# Altium PCB FMC_ADC_130M_16B_4CH.PcbDoc (part 6 of 8) (continued)
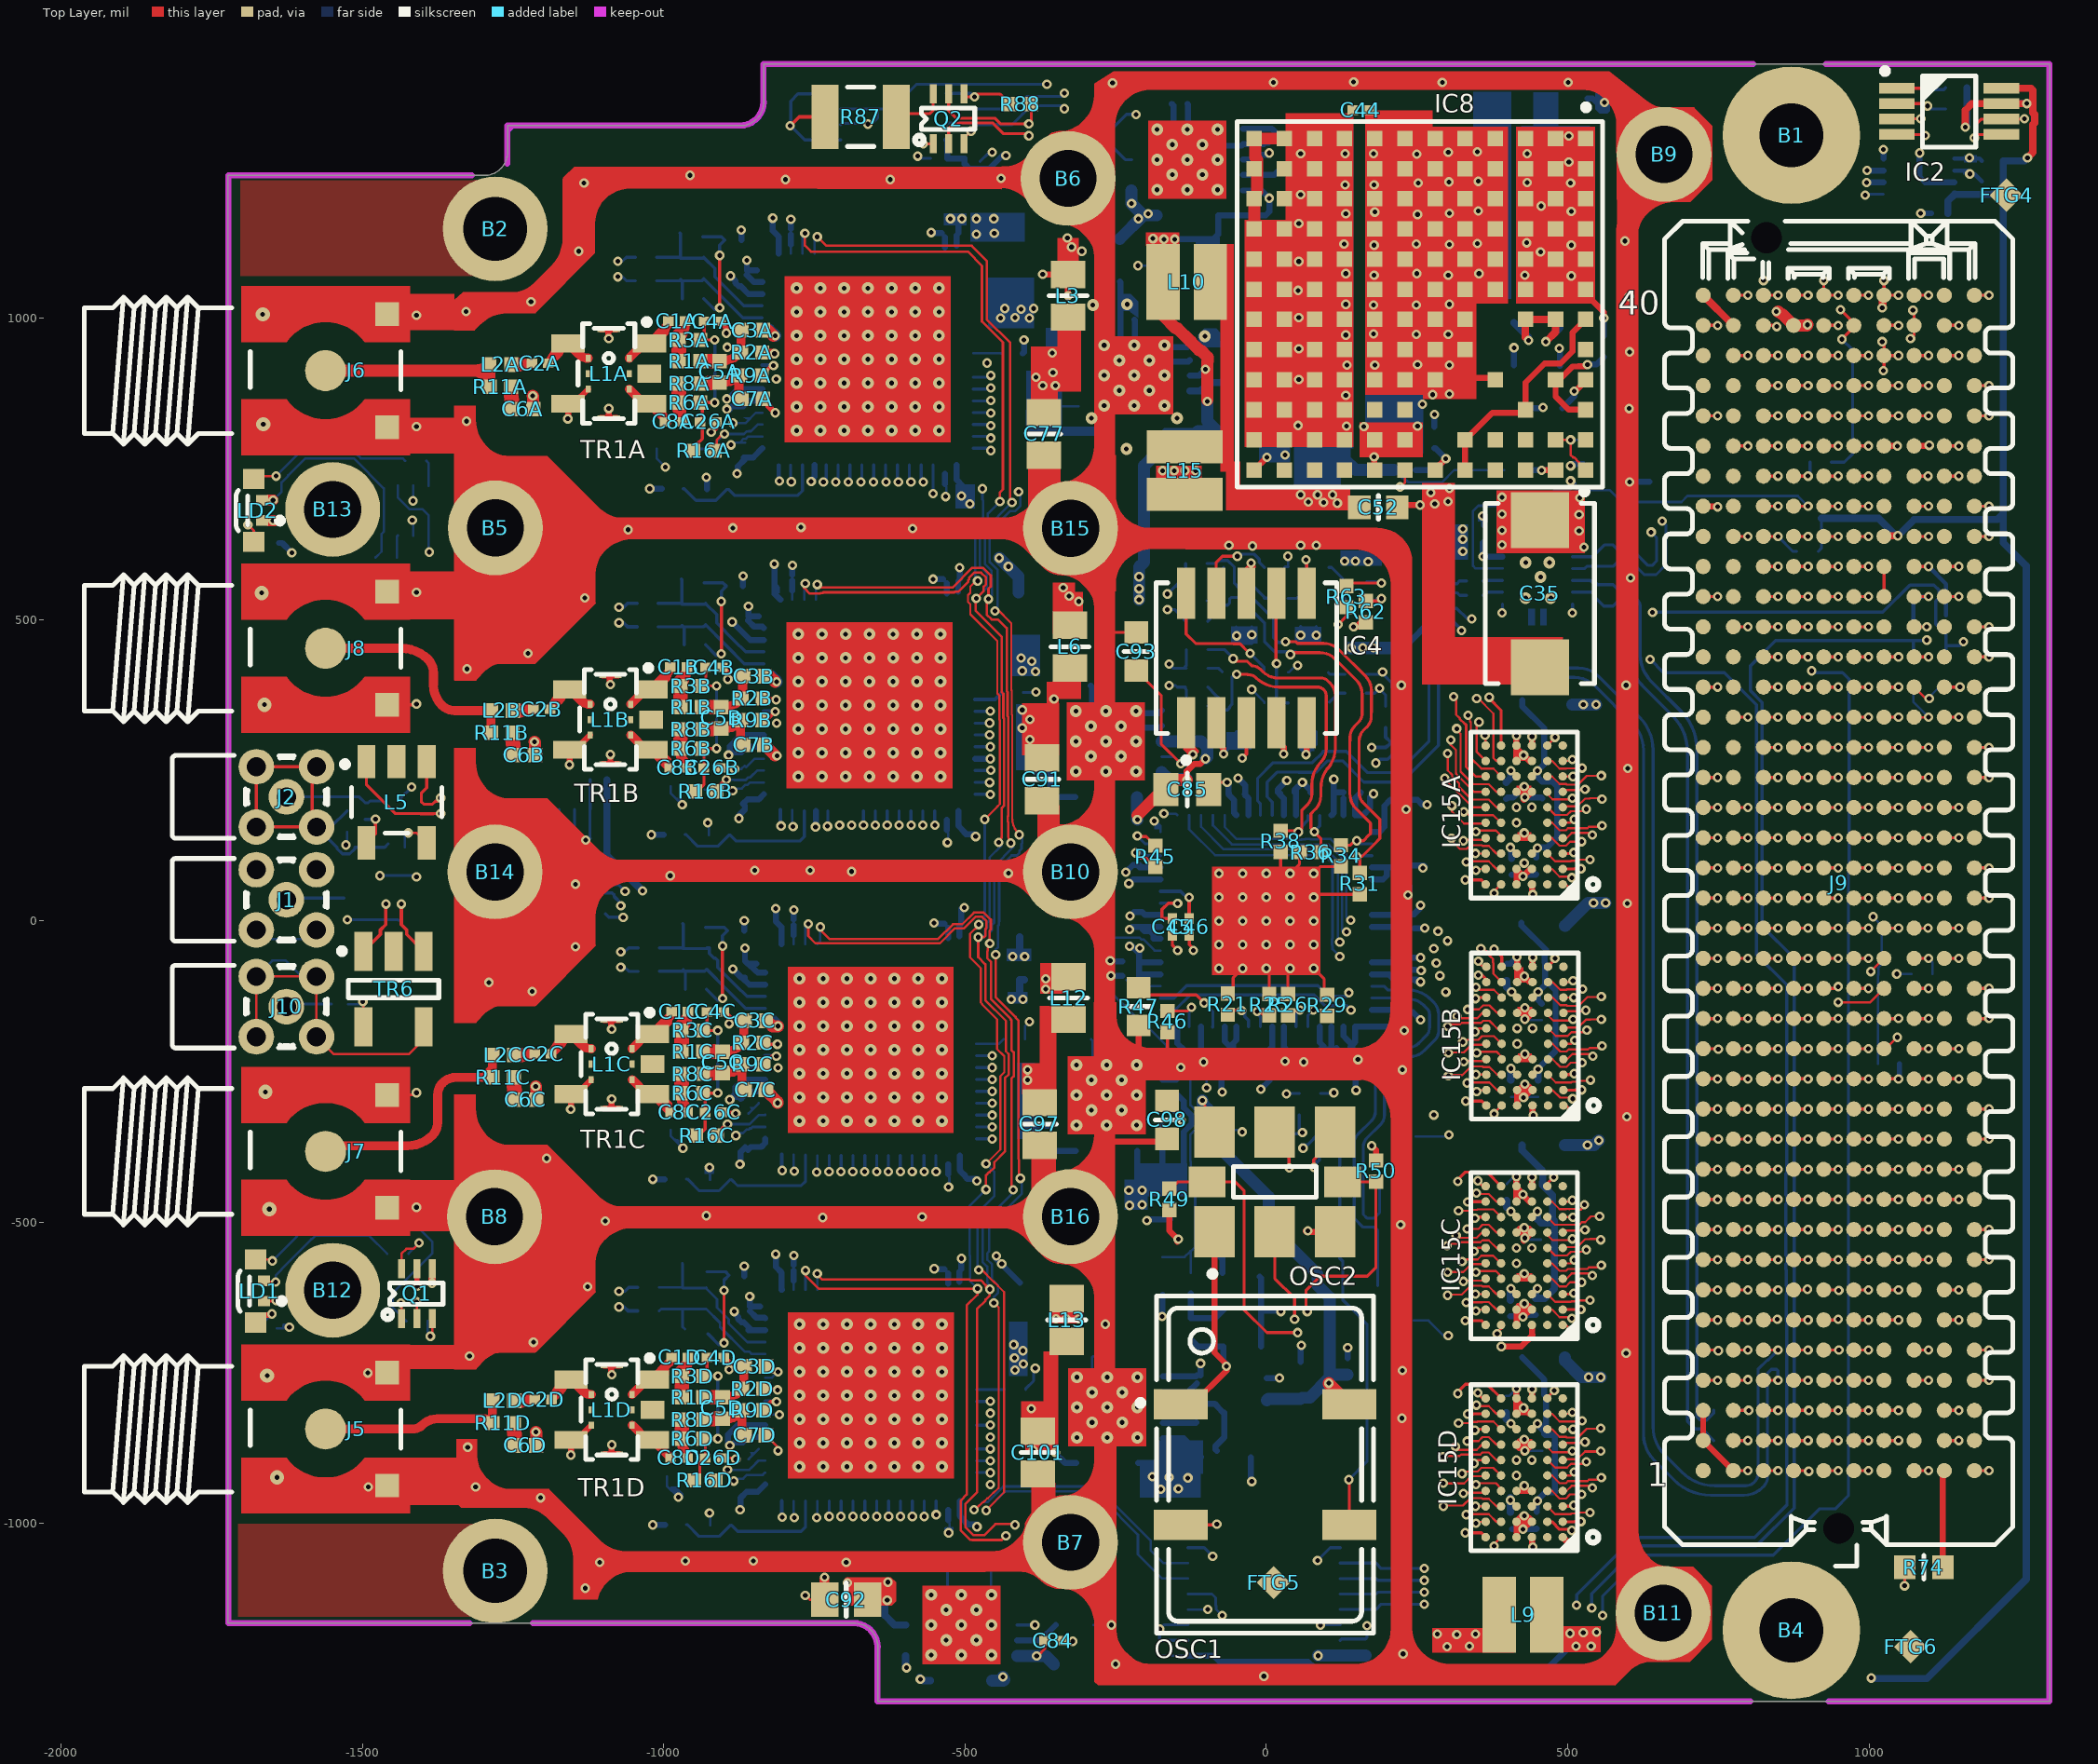
[diagram p0: Top Layer view]
## Nets (pads, with @x,y where several pads share a name; then routed paths per layer and width w, separated by ;. In a path a pad name is that pad's centre, name@x,y a point inside that pad or via, vN(x,y) a via of type N, cw(c..) or ccw(c..) an arc to the next point about the centre after c; other vN are vias at no path point) (continued)
  Bottom Layer w12: -409.08,-54.92 L4C.2@-409.08,-26.69
  other v1: -421,-59 -401,-59
NetC19D_2: C19D.2 C20D.2 IC1D.32 IC1D.49 L4D.2 | length 158.4
  Bottom Layer w10: IC1D.32@-509,-599 C20D.2@-509,-582.05 ; IC1D.49@-508.65,-962.46 -508.65,-986.67 -507.92,-987.4 -507.92,-988.05 C19D.2@-498.79,-997.19 ; C20D.2@-506.22,-578 -506.22,-560.22 v1(-506,-560) ; C19D.2@-498.22,-999 -496.22,-1001 -480,-1001 v1(-480,-1005) ; v1(-448,-556) -449,-557 -449,-560.09 v1@-439.54,-569.54 ; v1(-439,-569) -439,-570 -439.04,-570.04 L4D.2@-408.97,-600.12
NetC25A_2: C25A.2 R17A.1 R18A.1 | length 189.6
  Top Layer w5.3: v1(-907,1017) v1(-907,1104)
  Bottom Layer w5.3: R18A.1@-935.28,1135 -904.21,1135 C25A.2@-898.65,1129.45 -907,1121.1 v1(-907,1104) ; R17A.1@-933.28,1032 -915.57,1014.28 -909.72,1014.28 v1(-907,1017)
NetC25B_2: C25B.2 R17B.1 R18B.1 | length 189.6
  Top Layer w5.3: v1(-904.28,443) v1(-904.28,530)
  Bottom Layer w5.3: R18B.1@-932.57,561 -901.49,561 C25B.2@-895.94,555.45 -904.28,547.1 v1(-904.28,530) ; R17B.1@-930.57,458 -912.85,440.28 -907,440.28 v1(-904.28,443)
NetC25C_2: C25C.2 R17C.1 R18C.1 | length 189.6
  Top Layer w5.3: v1(-902.2,-128.57) v1(-902.2,-41.57)
  Bottom Layer w5.3: R18C.1@-930.49,-10.57 -899.41,-10.57 C25C.2@-893.86,-16.13 -902.2,-24.47 v1(-902.2,-41.57) ; R17C.1@-928.49,-113.57 -910.77,-131.29 -904.92,-131.29 v1(-902.2,-128.57)
NetC25D_2: C25D.2 R17D.1 R18D.1 | length 189.6
  Top Layer w5.3: v1(-899.81,-700) v1(-899.81,-613)
  Bottom Layer w5.3: R18D.1@-928.09,-582 -897.02,-582 -891.47,-587.55 -899.81,-595.9 v1(-899.81,-613) ; R17D.1@-926.09,-685 -908.38,-702.72 -902.53,-702.72 v1(-899.81,-700)
NetC29_2: C29.2 C99.2 IC8.B7 IC8.C7 | length 210
  Top Layer w12: v1(435,963) 430,968 IC8.C7@430,998 IC8.B7@480,998 480,977 v1(464,961)
  Bottom Layer w12: C99.2@411,992.43 435,968.43 v1(435,963) ; v1(464,961) 487,984 C29.2@487,991.43
NetC42_1: C42.1 L5.5 | length 63
  Top Layer w5: L5.5@-1493,129.48 -1478,144.48 v1(-1478,169)
  Bottom Layer w5: C42.1@-1495,168.41 -1480.59,168.41 -1480,169 v1(-1478,169)
NetC43_1: C43.1 L5.4 | length 63.8
  Top Layer w4: v1(-1423.71,146.02) -1409.53,146.02 L5.4@-1393,129.48
  Bottom Layer w4: C43.1@-1429.21,122.01 -1429.21,140.51 v1(-1423.71,146.02)
NetC45_1: C45.1 IC3.10 | length 90.1
  Top Layer w5.71: C45.1@-155.81,3.78 -170.78,3.78 -173,6 -173,19 -162.47,29.53 -147.53,29.53 v1(-147,29)
  Bottom Layer w5.71: IC3.10@-175.2,29.53 -147.53,29.53 v1(-147,29)
NetC46_1: C46.1 IC3.11 | length 88.4
  Top Layer w5.71: v1(-128,39) -128,3.97 C46.1@-127.81,3.78
  Bottom Layer w5.71: IC3.11@-175.2,49.21 -142.21,49.21 -130,37 v1(-128,39)
NetC48_1: C48.1 TR6.6 | length 67.9
  Top Layer w4: v1(-1499,-134) -1498,-135 TR6.6@-1498,-175.6
  Bottom Layer w4: C48.1@-1523.22,-138 -1503,-138 v1(-1499,-134)
NetC55_2: C55.2 IC3.6 R53.1 R55.2 | length 787.1
  Bottom Layer w4: IC3.6@-175.2,-49.21 -185.12,-49.21 -203.21,-31.13 -206.87,-31.13 -210.13,-27.87 -255.85,-27.87 -275.45,-47.47 -275.45,-100.52 -210.97,-165 -207.87,-165 -166,-206.87 -166,-209.17 -150.64,-224.53 -150.64,-225.36 -149.81,-226.19 -147.12,-228.87 -137.13,-228.87 -136.87,-229.13 -136.25,-229.13 -128.13,-237.25 -128.13,-237.87 -126,-240 -126,-305.58 -113.13,-318.45 -113.13,-341.55 -126,-354.42 -126,-398.51 -125,-399.51 -125,-420 -118,-427 -118,-541.28 R55.2@-122.72,-546 ; C55.2@-172,-557.5 -135.5,-557.5 R55.2@-126,-548 ; R53.1@-125,-583.57 R55.2@-125,-548
NetC56_2: C56.2 R53.2 R54.1 | length 101.6
  Bottom Layer w10: R53.2@-125,-618 R53.2@-125,-619 R54.1@-125,-658.57 -84.57,-658.57 C56.2@-70,-644
NetC58_2: C58.2 R55.1 | length 43.9
  Bottom Layer w10: R55.1@-87.28,-546 -73,-560.28 C58.2@-73,-584
NetC73_1: C73.1 IC8.A9 | length 64.1
  Top Layer w10: v1(511,879) 513,879 530,896 IC8.A9@530,898
  Bottom Layer w10: C73.1@491.5,851 511,870.5 v1(511,879)
NetC77_2: C77.2 IC6.1 IC6.3 IC6.20 L3.1 | length 97.4
  Bottom Layer w4: -353,854 -352.82,853.82 IC6.1@-311.52,853.82 ; -346,905 IC6.3@-311.52,905 ; -291.35,812 -290.87,812.48 IC6.20@-270.18,812.48
  other v1: -371,888 -350,888 -382,902 -354,910 -355,942
NetC78_2: C78.2 IC7.1 IC7.3 IC7.20 L7.1 | length 316.8
  Bottom Layer w5: IC7.3@-223.52,1263 -234,1263 -256,1285 -256,1314 -250.69,1319.31 -250.69,1319.73 -242.85,1327.57 -242.43,1327.57 -232,1338 v1(-216,1338) ; v1(148,597) v1@165,597 ; v1(169,596) 168,597 v1@165,597 ; L7.1@206.57,613 181,613 v1@165,597
  Bottom Layer w20: C78.2@-243,1131.43 -203.95,1170.48 ; IC7.1@-223.52,1211.82 v1(-223.52,1190.05) -203.95,1170.48 ; IC7.20@-182.18,1170.48 -203.95,1170.48
  other v1: 130,597 -212,1165 -196,1173
NetC79_2: C79.2 IC6.14 | length 69.6
  Bottom Layer w12: IC6.14@-126.48,879.41 -108.87,879.41 -106.28,882 -102,882 -91,893 -74.5,893 C79.2@-66,901.5
NetC80_2: C80.2 IC7.14 | length 58.6
  Bottom Layer w10: IC7.14@-38.48,1237.41 12.91,1237.41 C80.2@18,1242.5
NetC84_2: C84.2 C86.2 IC10.13 IC10.15 IC10.16 L9.2 | length 154.5
  Top Layer w5: v1(-381,-1219.18) -378.96,-1219.18 -367.56,-1207.78 C84.2@-367.56,-1194
  Bottom Layer w5: IC10.13@-413.48,-1168 v1(-384,-1168)
  Bottom Layer w20: IC10.16@-454.82,-1260.52 -436.52,-1260.52 -435,-1259 -437,-1257 v1(-437,-1254) ; IC10.15@-413.48,-1219.18 v1(-381,-1219.18) -366.25,-1219.18 C86.2@-352.43,-1233
  other v1: 300,-1204 337,-1203 316,-1184 284,-1183 347,-1183
NetC91_2: C91.2 IC9.1 IC9.3 IC9.20 L6.1 | length 242.6
  Bottom Layer w10: -392,351 v1(-392,301) ; IC9.3@-358.52,298 -389,298 v1(-392,301) ; IC9.20@-317.18,205.48 -344.48,205.48 -358.52,219.52 IC9.1@-358.52,246.82 -384.82,246.82 -392,254 v1(-392,301)
  other v1: -405,320 -392,334 -405,350 -352.28,368
NetC93_2: C93.2 IC9.14 | length 221.4
  Top Layer w4.73: C93.2@-216,415.5 -174,373.5 -174,293 v1(-142,261)
  Bottom Layer w4.73: IC9.14@-173.48,272.41 -153.41,272.41 v1(-142,261)
NetC94_2: C94.2 IC10.14 | length 74.6
  Bottom Layer w10: IC10.14@-413.48,-1193.59 -375.09,-1193.59 C94.2@-349.5,-1168
NetC96_1: C96.1 IC8.F12 R80.1 | length 110.8
  Top Layer w10: IC8.F12@280,748 280,749 v1(298,767)
  Bottom Layer w10: C96.1@247.72,748 279,748 v1(298,767) 280.72,784.28 R80.1@279,784.28
NetC97_2: C97.2 IC11.1 IC11.3 IC11.20 L12.1 | length 279.2
  Top Layer w10: v1@-396,-251 -396,-268 -376,-288 C97.2@-376,-301.57
  Bottom Layer w10: -396,-283 -391,-288 ; IC11.1@-357.52,-340.18 -383.82,-340.18 -384,-340 ; IC11.3@-357.52,-289 -390,-289 -391,-288 ; IC11.20@-316.18,-381.52 -364.48,-381.52 -384,-362 -384,-340 ; -391,-288 -391,-333 -384,-340
  other v1: -396,-264 -396,-247
NetC98_2: C98.2 IC11.14 | length 80
  Top Layer w4: C98.2@-165,-298.5 -143.5,-320 -143,-320 -141,-322 -141,-329 v1@-140,-330
  Bottom Layer w4: IC11.14@-172.48,-314.59 -156.41,-314.59 v1(-141,-330)
NetC101_2: C101.2 IC12.1 IC12.3 IC12.20 L13.1 | length 116.8
  Bottom Layer w10: v1(-390,-809) -388,-807 IC12.3@-356.52,-807 ; v1(-387,-878) -387,-876 -369.18,-858.18 IC12.1@-356.52,-858.18 ; v1(-350,-882) -350,-883 -333.48,-899.52 IC12.20@-315.18,-899.52
NetC102_2: C102.2 IC12.14 | length 55.7
  Bottom Layer w10: IC12.14@-171.48,-832.59 -116.59,-832.59 C102.2@-116,-832
NetIC1A_40: IC1A.40 R10A.2 | length 46.5
  Bottom Layer w4: IC1A.40@-486,941.57 -439.72,941.57 R10A.2@-439.59,941.45
NetIC1A_62: IC1A.62 R13A.2 R14A.1 | length 526.7
  Bottom Layer w4: R14A.1@-892.28,716 R14A.1@-891.28,715
  Bottom Layer w5: R13A.2@-965.66,717 R13A.2@-967.28,717 R13A.2@-965.66,717 ; R13A.2@-965.66,717 -946.19,697.53 ; R13A.2@-965.66,717 -946.19,697.53 ; -946.19,697.53 -913.15,697.53 ; -946.19,697.53 -913.15,697.53 ; -913.15,697.53 R14A.1@-894.67,716 ; -913.15,697.53 R14A.1@-894.67,716 ; R14A.1@-894.67,716 R14A.1@-892.28,716 ; R14A.1@-892.28,716 R14A.1@-882.28,706 ; R14A.1@-892.28,716 R14A.1@-882.28,706 ; R14A.1@-882.28,706 -777,706 ; R14A.1@-882.28,706 -777,706 ; -777,706 -769.46,713.54 ; -777,706 -769.46,713.54 ; -769.54,722.98 -769.46,722.91 ; -769.54,722.98 -769.54,735.02 ; -769.54,722.98 -769.54,735.02 ; -769.54,722.98 -769.46,722.91 ; -769.54,735.02 -769.46,735.09 ; -769.54,735.02 -769.46,735.09 ; -769.46,713.54 -769.46,722.91 ; -769.46,713.54 -769.46,722.91 ; -769.46,735.09 IC1A.62@-769.46,756.54 -769.46,735.09
NetIC1B_40: IC1B.40 R10B.2 | length 49.3
  Bottom Layer w6.39: IC1B.40@-483.28,367.57 -450.14,367.57 R10B.2@-438.72,379
NetIC1B_62: IC1B.62 R13B.2 R14B.1 | length 262.9
  Bottom Layer w4: R14B.1@-889.57,142 R14B.1@-888.57,141
  Bottom Layer w5: R13B.2@-964.4,143.43 -962.78,143.43 -943.31,123.96 -910.26,123.96 R14B.1@-891.79,142.43 ; R14B.1@-889.4,142.43 -879.4,132.43 -774.12,132.43 -766.58,139.97 -766.58,149.34 -766.66,149.41 -766.66,161.45 -766.58,161.53 IC1B.62@-766.58,182.97
NetIC1C_40: IC1C.40 R10C.2 | length 48.8
  Bottom Layer w4: IC1C.40@-481.2,-204 -443.72,-204 R10C.2@-435.72,-196
NetIC1C_62: IC1C.62 R13C.2 R14C.1 | length 262.9
  Bottom Layer w4: R14C.1@-887.49,-429.57 R14C.1@-886.49,-430.57
  Bottom Layer w5: R13C.2@-962.32,-428.14 -960.7,-428.14 -941.23,-447.62 -908.19,-447.62 R14C.1@-889.71,-429.14 ; R14C.1@-887.32,-429.14 -877.32,-439.14 -772.04,-439.14 -764.5,-431.61 -764.5,-422.24 -764.58,-422.16 -764.58,-410.12 -764.5,-410.05 IC1C.62@-764.5,-388.61
NetIC1D_40: IC1D.40 R10D.2 | length 46.5
  Bottom Layer w5: IC1D.40@-481.09,-777.43 -434.81,-777.43 R10D.2@-434.69,-777.55
NetIC1D_62: IC1D.62 R13D.2 R14D.1 | length 296
  Bottom Layer w4: R14D.1@-887.38,-1003 R14D.1@-886.38,-1004 ; -764.56,-995.56 IC1D.62@-764.56,-962.46
  Bottom Layer w5: R13D.2@-962.21,-1001.57 -960.59,-1001.57 -941.12,-1021.04 -908.07,-1021.04 R14D.1@-889.6,-1002.57 ; R14D.1@-887.21,-1002.57 -877.21,-1012.57 -771.93,-1012.57 -764.39,-1005.03 -764.39,-995.66 -764.47,-995.59 -764.47,-983.55 -764.39,-983.47 IC1D.62@-764.39,-962.03
NetIC2_1: IC2.1 IC13.1 R4.1 R35.1 R39.1 | length 7724.5
  Top Layer w5.33: IC2.1@1046.39,1381.39 1093.61,1381.39 v1(1096,1379)
  L5 w5.33: v1(-1067,6) -1073,0 -1111.42,0 -1113.41,-1.99 -1157.99,-1.99 -1237.84,-81.84 -1354.84,-81.84 -1680.33,-407.33 -1680.33,-924.08 -1651.8,-952.62 -1231.62,-952.62 -1222,-943 -1195,-943 -1149,-989 -1149,-1113 -1139.19,-1122.81 -850.23,-1122.81 -824.55,-1097.14 -808.14,-1097.14 -782,-1071 -728,-1071 -714.54,-1084.46 -689.39,-1084.46 -660.39,-1113.46 -623.39,-1113.46 -589.06,-1147.8 -589.06,-1160.06 -513.11,-1236 -449.92,-1236 -446.06,-1232.14 -406.37,-1232.14 -385.77,-1252.73 -68.45,-1252.73 -46.85,-1231.14 26.85,-1231.14 48.45,-1252.73 378.4,-1252.73 485.62,-1145.51 488.49,-1145.51 494,-1140 510,-1140 v1(515,-1135)
  L3 w5.33: v1(637,434) 640.46,437.46 640.46,439.02 641,439.56 v1(641,512) ; v1(1096,1379) 1122,1379 1246,1255 1246,513 1196,463 v1(1157,463)
  Bottom Layer w5.33: IC13.1@-1096.61,11.39 -1091.23,6 v1(-1067,6) ; v1(515,-1135) 515,-1118 610,-1023 810,-1023 864,-969 864,-917 863.54,-916.54 863.54,-664.54 862.54,-663.54 862.54,-619.02 863.54,-618.02 863.54,-605.98 862.54,-604.98 862.54,-578.54 862,-578 862,-569.56 863.54,-568.02 863.54,-555.98 862,-554.44 862,-519.56 863.54,-518.02 863.54,-505.98 862,-504.44 862,-469.56 863.54,-468.02 863.54,-455.98 862,-454.44 862,-419.56 863.54,-418.02 863.54,-105.98 813.54,-55.98 813.54,358.46 760,412 659,412 v1(637,434) ; v1(641,512) 1023,512 1068,557 1108,557 1116,549 1116,536 1112.54,532.54 1112.54,532.39 1110.53,530.38 1110.53,492.56 1128,475.09 R39.1@1128,471.28 1128,457 ; v1(1096,1379) 1124.28,1379 R4.1@1127.28,1382 ; R35.1@1127,433.72 1128,434.72 1128,457 ; v1(1157,463) 1151,457 1128,457
NetIC2_2: IC2.2 IC13.2 R32.1 R37.1 R42.1 | length 7269.4
  Top Layer w5.33: IC2.2@1046.39,1355.8 1093.2,1355.8 v1(1097,1352)
  L5 w5.33: v1(-1071,25) -1086,10 -1113.19,10 -1116.86,6.34 -1165.66,6.34 -1245.51,-73.51 -1358.29,-73.51 -1688.66,-403.88 -1688.66,-927.53 -1655.25,-960.94 -1217.54,-960.94 -1217.54,-962.61 -1162.16,-1017.98 -1162.16,-1114.84 -1145.86,-1131.14 -846.78,-1131.14 -821.1,-1105.46 -747.46,-1105.46 -742.06,-1110.86 -701.28,-1110.86 -681.46,-1130.68 -664.68,-1130.68 -664.51,-1130.85 -644.29,-1130.85 -610.44,-1164.7 -610.44,-1188.01 -547.46,-1251 -453.14,-1251 -442.61,-1240.46 -409.82,-1240.46 -389.22,-1261.06 -65,-1261.06 -43.4,-1239.46 23.4,-1239.46 45,-1261.06 381.85,-1261.06 489.07,-1153.84 526.16,-1153.84 v1(540,-1140)
  L3 w5.33: v1(1096,466) 1136,466 1226,556 1226,1256 1200,1282 1159,1282 1097,1344 v1(1097,1352)
  Bottom Layer w5.33: IC13.2@-1122.2,11.39 -1122.2,40.8 -1116.42,46.58 -1085.41,46.58 -1082.09,43.26 -1082.09,40.67 -1071,29.58 v1(-1071,25) ; v1(540,-1140) 540,-1116 619,-1037 813,-1037 876,-974 876,-62 822.86,-8.86 822.86,362.33 803.1,382.1 803.1,423.1 845.28,465.28 R42.1@1073,465.28 ; R37.1@1074,429.72 1074,464.28 R42.1@1073,465.28 ; v1(1096,466) 1095.28,465.28 R42.1@1073,465.28 ; v1(1097,1352) 1102,1347 R32.1@1127.28,1347
NetIC3_17: IC3.17 R19.2 | length 1610.7
  L5 w4: v1(285,-17) 322,20 534.79,20 537.67,17.13 548.33,17.13 550.21,19 555.79,19 557.67,17.13 568.33,17.13 570.21,19 590.79,19 593.67,16.13 604.33,16.13 607.21,19 612.9,19 616.9,15 628,15 675,-32 950,-32 989,7 v1(1007,7)
  L3 w4: v1(-170,178) -170,159 -114,103 88.9,103 217.9,-26 276,-26 v1(285,-17)
  Bottom Layer w4: v1(-170,178) -150,178 IC3.17@-148,176 ; IC3.17@-148,175.2 IC3.17@-147.64,175.2 ; v1(1007,7) 1021,-7 1021,-72 1015.28,-77.72 1015.28,-78.08 1015.87,-78.67 1015.87,-89.33 1015.28,-89.92 R19.2@1015.28,-237
NetIC3_20: IC3.20 R7.2 | length 1483.8
  L5 w4: v1(282,-70) 283,-69 300,-69 329.13,-39.87 329.13,-34.87 357.99,-6 363,-6 364,-5 600,-5 696,-101 741.79,-101 743.67,-99.13 746.87,-99.13 750,-96 768.9,-96 773.9,-91 991.79,-91 997.67,-96.87 1008.33,-96.87 1017.21,-88 v1(1046,-88)
  L3 w4: v1(133,-18) 133,-27.79 134.87,-29.67 134.87,-29.87 221,-116 264,-116 275,-105 275,-77 v1(282,-70)
  Bottom Layer w4: IC3.20@-88.58,175.2 -88.58,158.58 -57,127 103,127 126,104 126,-17 130,-21 v1(133,-18) ; v1(1046,-88) R7.2@1070.28,-88
NetIC3_61: IC3.61 R47.2 | length 165.5
  Top Layer w5: R47.2@-212,-110.5 -199.7,-122.8 -116.2,-122.8 v1(-103,-136)
  Bottom Layer w5: v1(-103,-136) -88.58,-150.42 IC3.61@-88.58,-175.2 ; IC3.61@-89,-176 IC3.61@-89,-175.2
NetIC3_63: IC3.63 R46.2 | length 76.5
  Top Layer w5: R46.2@-164,-149.28 -130.28,-149.28 v1(-124,-143)
  Bottom Layer w5: IC3.63@-128,-167 -128,-147 v1(-124,-143) ; IC3.63@-127.95,-175.2 IC3.63@-127.95,-167
NetIC8_A7: IC8.A7 IC8.C10 IC8.E11 IC8.E12 | length 377.5
  Top Layer w10: IC8.E12@330,748 IC8.E11@330,798 375,843 425,843 IC8.C10@430,848 430,893 462,925 488.2,925 508.2,945 508.2,976.2 IC8.A7@530,998
NetIC8_A10: IC8.A10 IC8.B9 R79.2 | length 182.6
  Top Layer w10: IC8.A10@530,848 502,848 480,870 IC8.B9@480,898 486.41,898 508.2,919.8 517.8,919.8 518,920 530,920 v1(533,923)
  Bottom Layer w10: v1(533,923) 547.72,923 R79.2@560,935.28
NetIC8_A12: IC8.A12 IC8.B11 R83.1 | length 109.1
  Top Layer w4: IC8.B11@480,798 v1(505,798) 505,773 509.13,768.87 510.75,768.87 518.87,760.75 518.87,759.13 IC8.A12@530,748
  Bottom Layer w4: v1(505,798) 521.72,798 R83.1@526,793.72
NetIC8_B12: IC8.B12 R81.2 R82.2 | length 73.5
  Top Layer w10: v1(457,747.72) 479.72,747.72 IC8.B12@480,748
  Bottom Layer w10: R81.2@429.72,748 430,747.72 v1(457,747.72) R82.2@480,747.72
NetJ5_1: J5.1 L2D.1 R11D.2 | length 318.9
  Top Layer w15: J5.1@-1560.91,-842.95 -1416.79,-842.95 ccw(c-1416.79,-819.21) -1400,-836 cw(c-1375.86,-860.14) -1375.86,-826 -1298.81,-826 cw(c-1298.81,-846.65) -1284.2,-832.05 L2D.1@-1284.2,-796
NetJ6_1: J6.1 L2A.1 R11A.2 | length 311.6
  Top Layer w20: J6.1@-1560.91,912.95 -1313.37,912.95 ccw(c-1313.37,947.26) L2A.1@-1289.11,923 cw(c-1290.06,922.05) -1288.72,922.05 R11A.2@-1288.72,886
NetJ7_1: J7.1 L2C.1 R11C.2 | length 389.1
  Top Layer w15: J7.1@-1560.91,-382.32 cw(c-1538.4,-404.83) -1538.4,-373 -1425.04,-373 ccw(c-1425.04,-314.96) -1384,-356 ccw(c-1405.73,-334.27) -1375,-334.27 -1375,-288.31 cw(c-1347.69,-288.31) -1367,-269 cw(c-1344.25,-291.75) -1344.25,-259.57 -1299,-259.57 -1284.31,-244.89 L2C.1@-1284.31,-222.57
NetJ8_1: J8.1 L2B.1 R11B.2 | length 378.1
  Top Layer w15: J8.1@-1560.91,452.32 -1435.24,452.32 cw(c-1435.24,389.76) -1391,434 cw(c-1412.73,412.27) -1382,412.27 -1382,391.8 ccw(c-1334.2,391.8) -1368,358 ccw(c-1346.27,379.73) -1346.27,349 L2B.1@-1286.39,349 -1286.39,312.95 ccw(c-1285.05,312.95) R11B.2@-1286,312
NetJ10_2: J10.2 R40.2 TR6.4 | length 642.5
  Top Layer w4: J10.2@-1675.87,-192.17 J10.2@-1675.87,-92.17 J10.2@-1575.87,-92.17 J10.2@-1575.87,-192.17 -1547.03,-221 -1423,-221 -1406,-204 -1406,-183.6 TR6.4@-1398,-175.6
  Bottom Layer w4: J10.2@-1675.87,-92.17 -1649.42,-65.72 R40.2@-1627,-65.72 -1600.55,-92.17 J10.2@-1575.87,-92.17
NETLABEL49: C43.2 J2.2 R24.2 | length 591
  Top Layer w5.72: J2.2@-1675.75,155.81 -1675.75,252.75 -1677,254 -1675,256 -1583,256 -1583,164 -1576,157 -1577,156 -1661,156 J2.2@-1662,157
  Bottom Layer w5: R24.2@-1525,182.69 -1551.88,155.81 J2.2@-1575.75,155.81 -1541.95,122.01 -1541.73,122.01 -1541.73,119.9 -1533.1,111.27 -1520.9,111.27 -1512.27,119.9 -1512.27,122.01 -1462.77,122.01 C43.2@-1456.78,128
NetLD1_1: LD1.1 R12.2 | length 74.1
  Top Layer w4: LD1.1@-1677,-666.17 -1670.17,-666.17 -1653,-649 -1650,-649 v1(-1650,-652)
  Bottom Layer w4: R12.2@-1677,-676 -1674,-676 v1(-1650,-652)
NetLD1_3: LD1.3 R65.2 | length 256.2
  Top Layer w4: LD1.3@-1663.22,-597.27 -1661.49,-599 v1(-1643.54,-599)
  Bottom Layer w4: v1(-1643.54,-599) -1643.54,-588 -1633.83,-578.3 -1633.83,-577.54 -1584.19,-527.9 -1583.43,-527.9 -1577.82,-522.28 -1488.43,-522.28 R65.2@-1458.72,-552
NetLD1_4: LD1.4 R64.2 | length 494
  Top Layer w4: LD1.4@-1677,-561.83 -1651.17,-561.83 v1(-1649,-564)
  Bottom Layer w4: v1(-1649,-564) -1609,-524 -1609,-523 -1597,-511 -1405,-511 -1384,-532 -1384,-551.59 -1449.87,-617.46 -1449.87,-639.75 -1449.74,-639.88 -1449.74,-641 R64.2@-1426.74,-664
NetLD2_1: LD2.1 R28.2 | length 69.7
  Top Layer w4: v1(-1689.84,657.38) -1680,647.54 LD2.1@-1680,628.83
  Bottom Layer w4: v1(-1689.84,657.38) -1673.72,641.25 R28.2@-1673.72,627
NetLD2_3: LD2.3 R84.2 | length 380.9
  Top Layer w4: LD2.3@-1666.22,697.73 -1649.27,697.73 -1649,698 v1(-1648,698)
  Bottom Layer w4: v1(-1648,698) -1633.83,712.17 -1633.83,727.55 -1623,738.38 -1623,739 -1594.62,767.38 -1513.99,767.38 -1464.35,717.74 -1464.35,645.65 -1468,642 -1468,612.72 R84.2@-1477.72,603
NetLD2_4: LD2.4 R85.2 | length 273.7
  Top Layer w4: LD2.4@-1680,733.17 -1675.17,738 v1(-1643,738)
  Bottom Layer w4: v1(-1643,738) -1605.62,775.38 -1510.68,775.38 -1502.68,767.38 -1433.05,767.38 R85.2@-1428.82,763.15
NetOSC1_3: OSC1.3 R51.1 | length 643.7
  Top Layer w5: v1(137,-927) 137.96,-927.96 OSC1.3@137.96,-1002
  Bottom Layer w5: v1(137,-927) 167,-897 167,-669 141,-643
  Bottom Layer w5.32: R51.1@122,-389.72 122,-559.69 127,-564.69 127,-629 141,-643
NetOSC2_4: OSC2.4 R72.1 | length 97.2
  Top Layer w5.32: v1(79,-409) 79,-396 114,-361 OSC2.4@114,-350.32
  Bottom Layer w5.32: v1(79,-409) 79,-406 88,-397 R72.1@88,-388.72
NetOSC2_5: OSC2.5 R73.1 | length 90.9
  Top Layer w5.32: OSC2.5@14,-350.32 14,-369 38,-393 v1(38,-410)
  Bottom Layer w5.32: v1(38,-410) R73.1@38,-388.72
NetQ1_3: Q1.3 R64.1 | length 57.4
  Top Layer w4: v1(-1387,-689) -1383.82,-685.82 Q1.3@-1383.82,-659.68
  Bottom Layer w4: R64.1@-1391.28,-664 -1391.28,-684.72 v1(-1387,-689)
NetQ1_6: Q1.6 R65.1 | length 86.8
  Top Layer w4: Q1.6@-1435,-577 -1435,-552 -1427,-544 -1415.28,-544 v1(-1405.57,-534.28)
  Bottom Layer w4: R65.1@-1423.28,-552 v1(-1405.57,-534.28)
NetQ2_3: Q2.3 R12.1 | length 3391.2
  Top Layer w4: Q2.3@-501.55,1289.23 -501.55,1298.69 v1(-489.88,1310.36)
  L5 w4: v1(-489.88,1310.36) v1@-489.43,1309.91
  L3 w4: v1(-1621,-674) -1660.84,-674 -1711.32,-623.52 -1711.32,-414.32 -1538,-241 -1538,-4.62 -1538.87,-3.75 -1538.87,7.75 -1538,8.62 -1538,117.38 -1540.87,120.25 -1540.87,131.75 -1538,134.62 -1538,289 -1704,455 -1704,1093 -1641,1156 -1374.91,1156 -1309.67,1221.24 -1296.39,1221.24 -1293,1224.63 -1281.77,1224.63 -1277.93,1228.47 -1272.49,1228.47 -1255.98,1244.98 -1255.17,1244.98 -1248.72,1251.43 -1248.72,1252.24 -1244,1256.97 -1244,1259 -1202,1301 -854,1301 -765,1390 -570.42,1390 -490.78,1310.36 v1(-489.88,1310.36)
  Bottom Layer w4: R12.1@-1641.57,-676 -1623,-676 v1(-1621,-674)
NetQ2_6: Q2.6 R87.1 | length 92.8
  Top Layer w5: R87.1@-613.94,1334 -608.43,1339.51 -557.94,1339.51 -552.73,1344.72 Q2.6@-552.73,1371.91
NetQ5_3: Q5.3 R84.1 | length 36.8
  Bottom Layer w4: R84.1@-1442.28,603 -1442.28,638.22 Q5.3@-1441.18,639.32
NetQ5_6: Q5.6 R85.1 | length 42.6
  Bottom Layer w4: R85.1@-1393.39,763.15 -1390,759.76 Q5.6@-1390,722
P1V8: C21A.2 C21B.2 C21C.2 C21D.2 C22A.2 C22B.2 C22C.2 C22D.2 C92.2 IC10.1 IC10.3 IC10.20 IC15A.A3 IC15A.C4 IC15A.H4 IC15A.K3 IC15B.A3 IC15B.C4 IC15B.H4 IC15B.K3 IC15C.A3 IC15C.C4 IC15C.H4 IC15C.K3 IC15D.A3 IC15D.C4 IC15D.H4 IC15D.K3 L4A.1 L4B.1 L4C.1 L4D.1 | length 696.9
  Top Layer w10: v1(390,-706) 423,-706 442,-687 440.8,-685.79 IC15C.A3@440.8,-670.37 ; IC15D.A3@440.8,-1022.38 440.8,-1037.8 v1(442,-1039) ; IC15D.K3@440.8,-792.06 440.8,-784.27 440.75,-784.23 441,-783.98 v1(441,-777) ; IC15C.K3@440.8,-440.06 440.8,-432.27 440.75,-432.22 441,-431.97 v1(441,-425) ; IC15A.A3@440.8,60.62 440.8,45.2 v1(442,44) ; IC15A.K3@440.8,290.94 440.8,298.73 440.75,298.77 441,299.02 v1(441,306) ; IC15B.A3@441.82,-306.22 441.82,-321.64 v1(443.02,-322.84) ; IC15B.K3@441.82,-75.91 441.82,-68.12 441.77,-68.07 442.02,-67.82 v1(442.02,-60.84)
  Top Layer w12: v1(-629,-1127) -630,-1126 C92.2@-657,-1126 ; v1(-628,-1097) C92.2@-657,-1126 ; C92.2@-661.57,-1126 -689,-1126 -694,-1121 -695,-1120 v1(-695,-1098) -695,-1097 -695,-1095 -692.57,-1095 C92.2@-661.57,-1126 ; C92.2@-661.57,-1126 C92.2@-657,-1126
  Bottom Layer w12: v1(-629,-1127) -633,-1127 -633,-1152 -617,-1168 IC10.3@-598.52,-1168 ; IC10.1@-598.52,-1219.18 -598.52,-1237.48 v1(-597,-1239) ; v1(-574,-1258) -574,-1256 -575,-1255 -569.48,-1260.52 IC10.20@-557.18,-1260.52 ; v1@-417,-131 -409.08,-123.08 L4C.1@-409.08,-97.56 L4C.1@-401.44,-97.56 ; C22D.2@398,-815.78 398,-826 v1(406,-834) ; C22A.2@398,229.78 406,237.78 v1(406,249) ; C22C.2@399,-463.78 399,-475 v1@403,-479 ; C22B.2@399,-98.78 399,-109.82 v1(407.02,-117.84) ; v1@404,-962 v1@405,-963 ; C21B.2@404.78,-263 C21B.2@406,-264.22 v1(406.02,-244.84) ; C21D.2@405,-981 v1@405,-956.78 ; C21C.2@405,-629.22 405,-613 v1@407,-611 ; v1(405,122) 407,120 C21A.2@407,103.78
  other v1: 405,-961 -417,-745 -403,-735 -418,-725 -404,-713 -419,-703 406,-610 406,-482 -423,-130 -404,-130 -383,414 -405,415 -389,431 -407,436 -441,1000 -393,1000 -417,1001 -407,1015 -434,1016 -386,1016
P3V3: C37.2 C103.1 C104.1 D1.2 IC14.1 IC17.8 J9.c39 J9.d36 J9.d38 J9.d40 L9.1 LD1.2 LD2.2 R74.1 | length 1250.9
  Top Layer w4: LD2.2@-1666.22,664.27 -1648.27,664.27 v1(-1648,664) ; LD1.2@-1663.22,-630.73 -1643.73,-630.73 v1(-1643,-630)
  Top Layer w5: v1(1022,961) 1024.92,958.08 J9.d38@1024.92,938.01 ; v1(1022,1017) 1024.92,1019.92 J9.d40@1024.92,1038.01 ; v1(1024,913) 1024.92,913.92 J9.d38@1024.92,938.01 ; J9.d36@1024.92,838.01 v1(1049,838) ; v1(1024.92,1062.48) J9.d40@1024.92,1038.01 ; v1(1049,938) J9.d38@1024.92,938.01 ; v1(1049,1038) J9.d40@1024.92,1038.01 ; v1(1059,-1103) 1059.5,-1102.5 R74.1@1059.5,-1072 ; v1(1069,966) 1074.92,971.92 J9.c39@1074.92,988.01 1074.92,1011.08 v1(1073,1013)
  Bottom Layer w4: v1(-1525,2) -1441.13,2 D1.2@-1439.72,0.6 ; C37.2@-177,-1219.78 -176.22,-1219 IC14.1@-130,-1219
  Bottom Layer w5: v1@-437.22,1270 v1(-432,1270)
  Bottom Layer w10: IC17.8@-530.73,1295.71 -529.15,1294.13 C103.1@-529.15,1265.1 -500.9,1265.1 C104.1@-500.51,1264.71 -500.51,1255.79 -492.3,1247.58 -459.64,1247.58 v1@-437.22,1270 ; IC14.1@-130,-1219 -87,-1219 -77,-1229 69.13,-1229 78.13,-1238 82,-1238 93,-1249 412,-1249 414,-1247 460,-1247 507,-1200 v1@516,-1200
  other v1: 514,-1203 539,-1203 504,-1182 526,-1181 548,-1180
P3V3_ADC1: C14A.2 C15A.2 C16A.2 C17A.2 C18A.2 IC1A.1 IC1A.5 IC1A.6 IC1A.15 IC1A.16 IC1A.17 L3.2 R13A.1 | length 517.8
  Top Layer w10: v1(-371,1073) -370.43,1072.43 L3.2@-329,1072.43 ; v1(-330,1133) -329,1132 -329,1111 ; v1(-329,1037) L3.2@-329,1072.43 ; v1(-306,1111) -329,1111 ; L3.2@-329,1072.43 -329,1111
  Bottom Layer w10: v1(-1023,717) R13A.1@-1002.72,717 ; v1@-896,866 v1(-895,866) -893.26,866 C17A.2@-876.87,882.39 -876.74,882.52 IC1A.6@-836.39,882.52 ; v1(-895,849) v1@-891,849 ; v1@-890,848 v1@-891,849 ; v1(-878,742) -877,743 -877,754.22 C14A.2@-865,766.22 -867.3,768.52 -851.48,768.52 -850,770 -850,770.49 IC1A.1@-836.39,784.09 ; C18A.2@-868,853.78 C18A.2@-873.32,853.78 ; C16A.2@-862.05,1071.78 -849.96,1059.69 IC1A.15@-836.39,1059.69 ; v1(-861.91,1096) -861.91,1079.05 IC1A.16@-844.95,1079.05 ; IC1A.5@-836.39,862.83 -864.27,862.83 C18A.2@-873.32,853.78 ; v1(-818.91,1166) -818.68,1165.78 -818.68,1145 -808.98,1135.3 -808.98,1107.08 IC1A.17@-808.83,1106.93 ; v1@-891,849 -886.22,853.78 C18A.2@-873.32,853.78
  other v1: -323,1118
P3V3_ADC2: C14B.2 C15B.2 C16B.2 C17B.2 C18B.2 IC1B.1 IC1B.5 IC1B.6 IC1B.15 IC1B.16 IC1B.17 L6.2 R13B.1 | length 351.5
  Bottom Layer w10: v1(-1020.28,143) R13B.1@-1000,143 ; v1@-890,279 -890,290 -874.16,305.84 C17B.2@-874.16,308.39 -874.02,308.52 IC1B.6@-833.68,308.52 ; -883.5,279.78 -870.61,279.78 -861.55,288.83 IC1B.5@-833.68,288.83 ; v1(-875,170) -875,175 -865,185 C14B.2@-865,191.22 -868.14,194.36 -860.58,201.92 -841.85,201.92 IC1B.1@-833.68,210.09 ; v1(-859.19,522) -859.19,505.05 IC1B.16@-842.24,505.05 ; IC1B.15@-833.68,485.69 -836.07,488.08 -849.63,488.08 C16B.2@-859.34,497.78 ; v1(-816.19,592) -815.97,591.78 -815.97,542.78 IC1B.17@-806.12,532.93 ; C16B.2@-859.34,497.78 -860,498.44 C16B.2@-860,498.78 -859.34,498.11 C16B.2@-859.34,497.78
  other v1: -892.28,275 -311,530 -327,539 -337,553
P3V3_ADC3: C14C.2 C15C.2 C16C.2 C17C.2 C18C.2 IC1C.1 IC1C.5 IC1C.6 IC1C.15 IC1C.16 IC1C.17 L12.2 R13C.1 | length 363.1
  Bottom Layer w10: v1(-1018.2,-428.57) R13C.1@-997.92,-428.57 ; v1@-886,-292 -881,-287 -881,-276 -872.08,-267.08 C17C.2@-872.08,-263.19 -871.95,-263.06 IC1C.6@-831.6,-263.06 ; -881.43,-291.8 C18C.2@-868.53,-291.8 ; v1(-873.2,-403.57) -872.2,-402.57 -872.2,-383.35 C14C.2@-864.31,-375.46 ; -872.08,-295.35 C18C.2@-868.53,-291.8 ; v1(-865,-45) C16C.2@-865,-66.22 -860,-71.22 C16C.2@-858.78,-71.22 ; C14C.2@-860,-379.78 C14C.2@-855.33,-375.11 ; C14C.2@-853.98,-375 -838,-375 -831.6,-368.6 IC1C.1@-831.6,-361.48 ; -846.27,-71.22 C16C.2@-858.78,-71.22 ; IC1C.5@-831.6,-282.74 -859.47,-282.74 C18C.2@-868.53,-291.8 ; IC1C.15@-831.6,-85.89 -843.71,-85.89 -846.94,-82.65 -847.35,-82.65 C16C.2@-858.78,-71.22 ; v1(-814.11,20.43) -813.89,20.2 -813.89,-0.57 -804.19,-10.28 -804.19,-38.5 IC1C.17@-804.04,-38.65
  other v1: -890.2,-296.57 -366,-113 -366,-96
P3V3_ADC4: C14D.2 C15D.2 C16D.2 C17D.2 C18D.2 IC1D.1 IC1D.5 IC1D.6 IC1D.15 IC1D.16 IC1D.17 L13.2 R13D.1 | length 393.2
  Top Layer w10: v1(-332,-660) -331,-659 L13.2@-331,-626.57
  Bottom Layer w10: v1(-1018.09,-1002) R13D.1@-997.81,-1002 ; v1(-890.09,-870) -893.22,-866.87 -893.22,-852.28 -877.56,-836.61 C17D.2@-871.97,-836.61 -871.84,-836.48 IC1D.6@-831.49,-836.48 ; -881.32,-865.22 -868.42,-865.22 -859.36,-856.17 IC1D.5@-831.49,-856.17 ; v1(-873.09,-977) -872.09,-976 -872.09,-956.78 -862.39,-947.08 -843.66,-947.08 IC1D.1@-831.49,-934.91 ; C16D.2@-857.15,-647.22 C16D.2@-857,-647.22 -857,-647.37 -846.45,-657.92 -832.88,-657.92 IC1D.15@-831.49,-659.31 ; v1(-857,-623) -857,-639.95 IC1D.16@-840.05,-639.95 ; v1(-814,-553) -813.78,-553.22 -813.78,-574 -804.08,-583.7 -804.08,-611.92 IC1D.17@-803.93,-612.07
  other v1: -349,-660 -311,-660